# Altium PCB PCB-ZB206B-0B.PcbDoc (part 7 of 7)
Units mm, origin at the board's own origin, x right, y up, seen from the top; angles counter-clockwise.
Board outline 366.51 x 137.86 mm, 2 copper layers (Top Layer, Bottom Layer); 583 components, 415 nets, 1779 pads, 4554 vias.
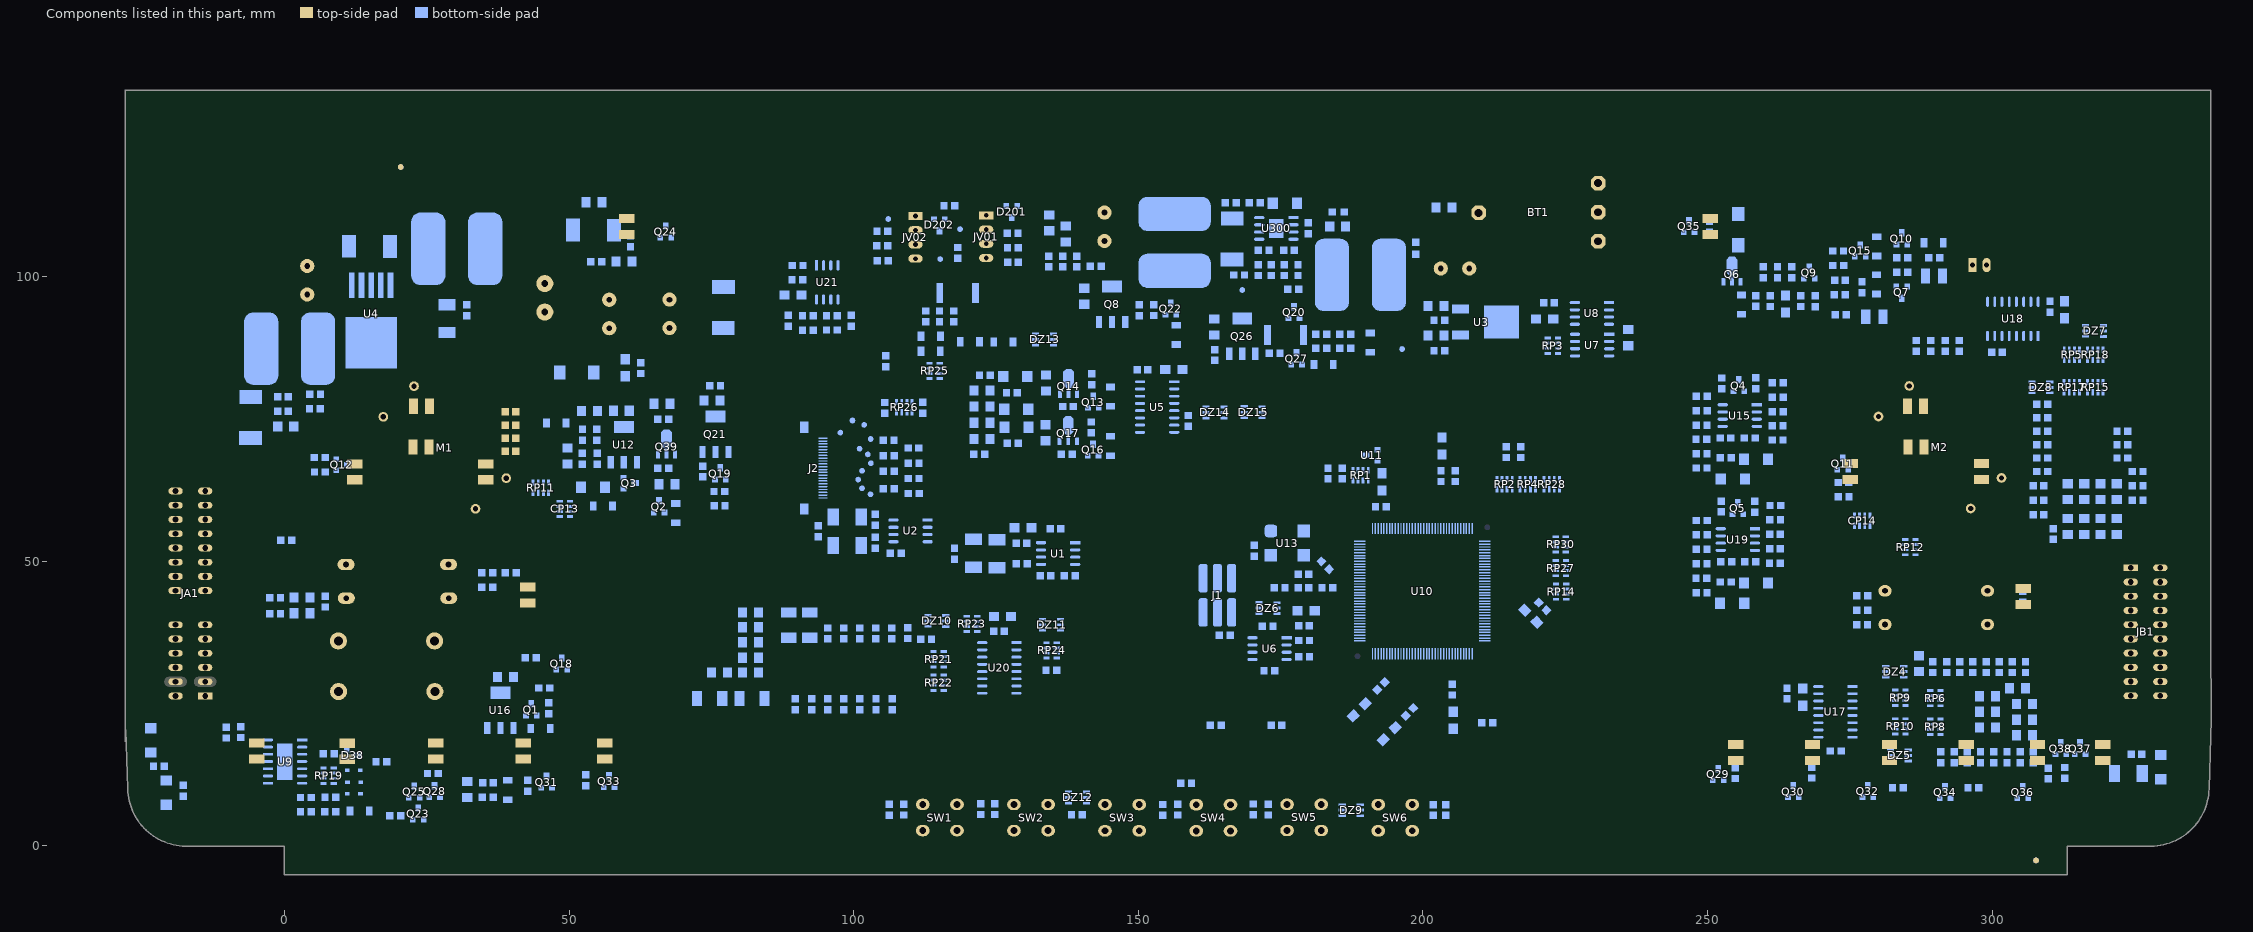
[diagram p7: the components of this part, seen from the top]

## Silkscreen, mask and mechanical layers (free items; w line width, h text height) (continued)
Mechanical 1:
  lines w0.254: 92.29,34.5 92.29,34.52 ; 98.21,34.52 98.22,34.52
Mechanical 3:
  drawing of 258 lines, arcs and shapes, not listed

## Dimensions
-17.397,0 to -36.46,132.73 on Top Overlay
-27.95,123.93 to 338.28,137.58 on Top Overlay

## Text inside footprints (layer, text, board x,y; h text height)
JA1: Bottom Overlay "1" at -7.108,22.427 h1 r270; Bottom Overlay "2" at -21.258,21.597 h1 r270; Bottom Overlay "28" at -22.038,66.037 h1 r270; Bottom Overlay "27" at -6.958,65.857 h1 r270
JB1: Bottom Overlay "20" at 334.361,26.367 h1 r90; Bottom Overlay "2" at 334.132,48.817 h1 r90; Bottom Overlay "19" at 315.041,26.367 h1 r90; Bottom Overlay "1" at 315.041,48.867 h1 r90
LOGO: Top Overlay "汉纳森" at 197.721,39.397 h2; Top Overlay "HANNASEN" at 196.644,37.304 h2
Q6: Bottom Overlay "1" at 256.737,98.8 h0.5
Q10: Bottom Overlay "1" at 286.037,105.38 h0.5
Q14: Bottom Overlay "1" at 140.177,79.06 h0.5
Q17: Bottom Overlay "1" at 140.107,70.83 h0.5
Q39: Bottom Overlay "1" at 69.527,68.46 h0.5